# KiCad board AFS-K5171.kicad_pcb (continued)
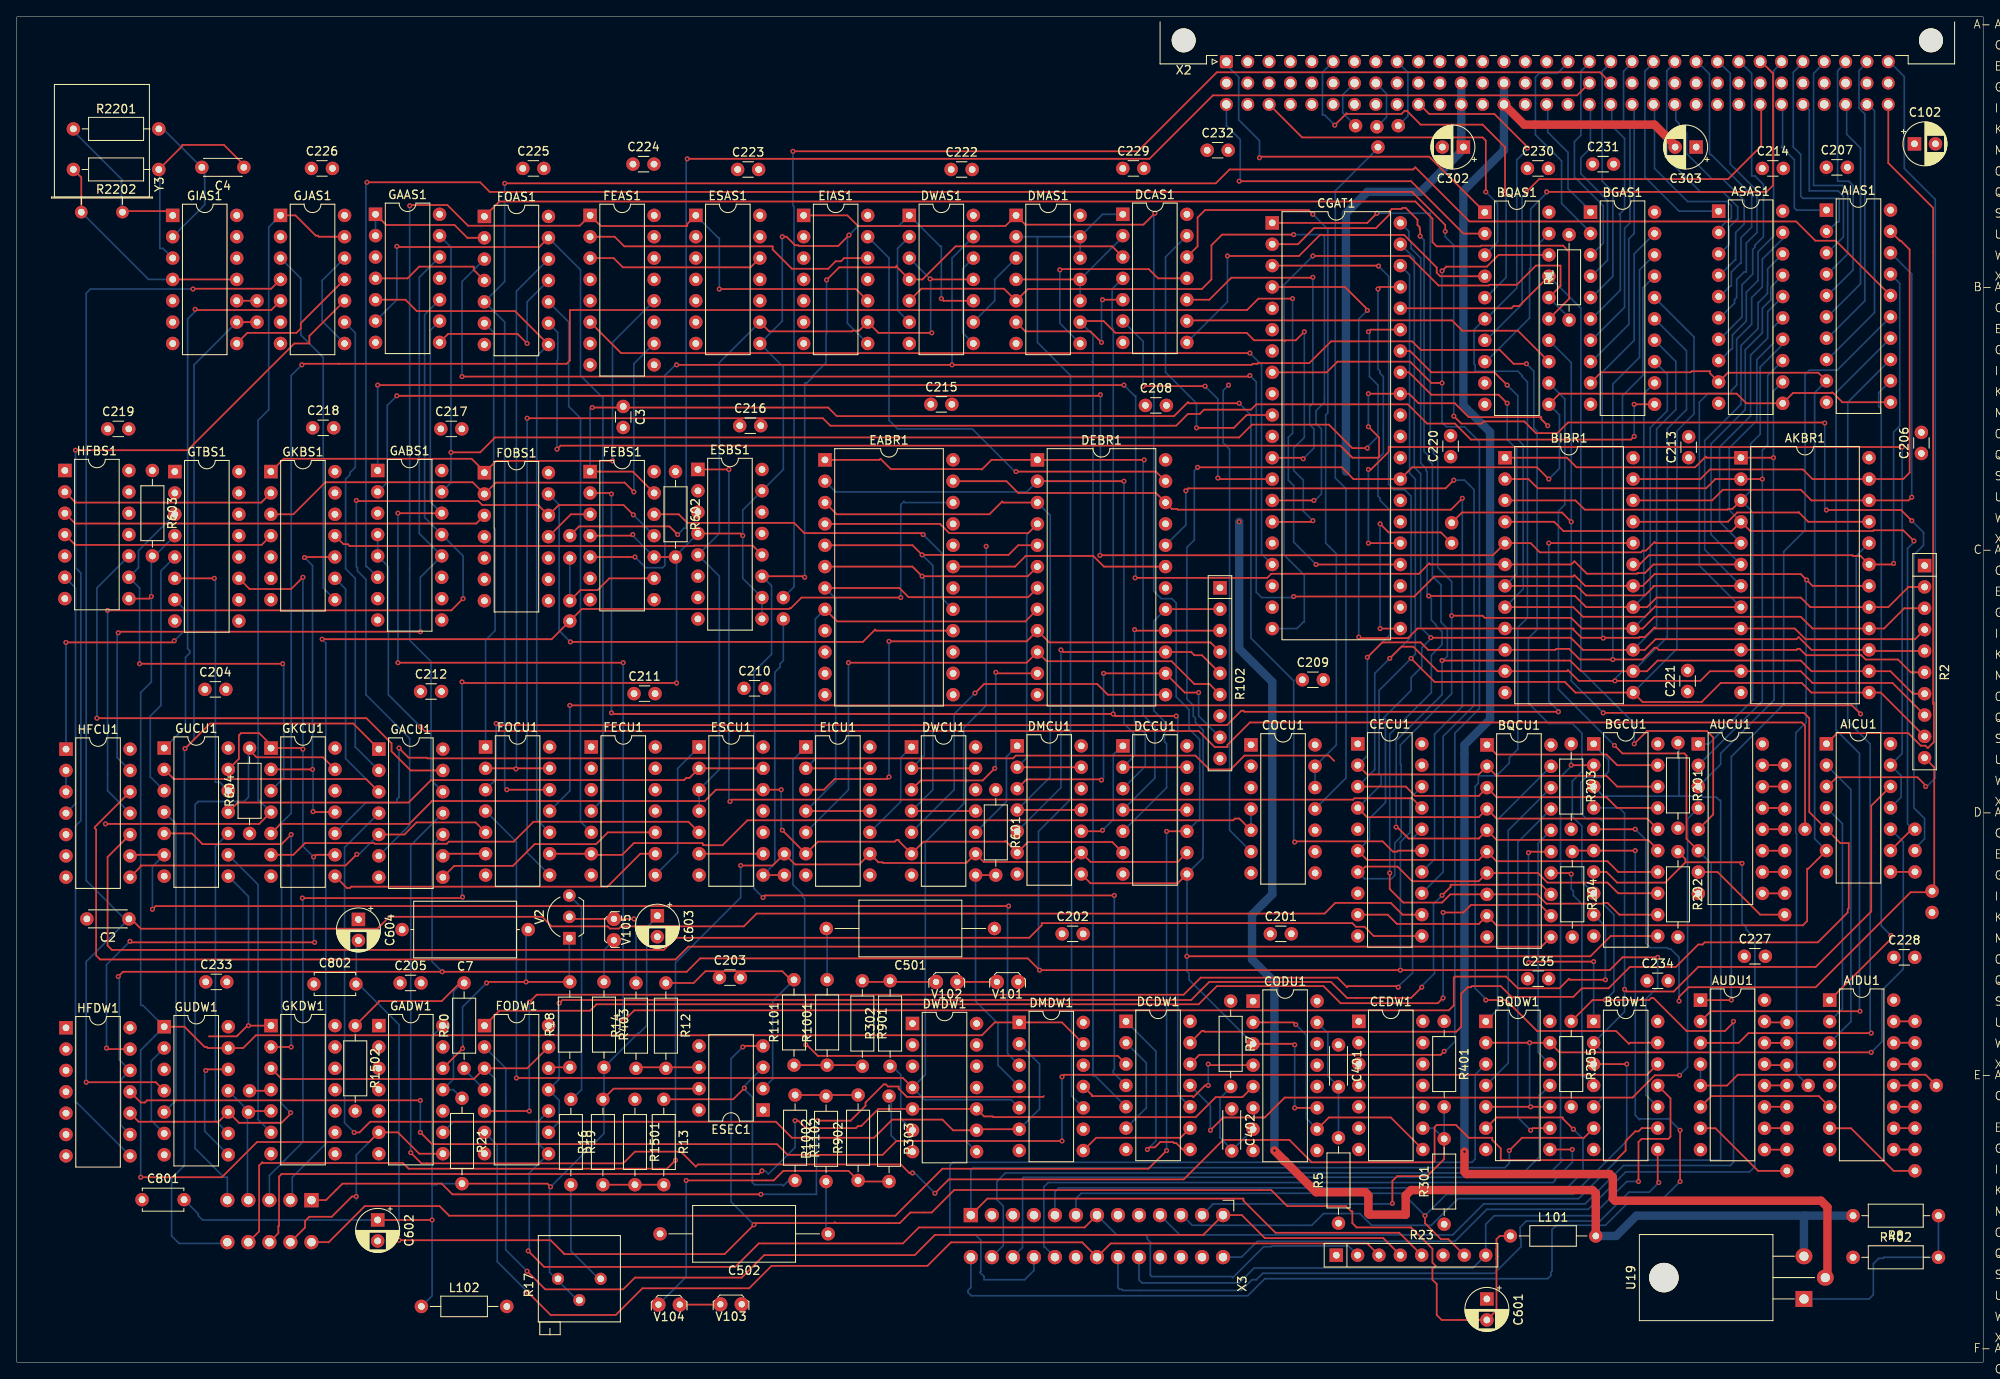
[diagram p0: board, top side]
## Routing (per net, layer and track width the routed paths; a pad name or vN(x,y) marks a point on that pad's centre or on a via; arc(x,y) is an arc through that point) (continued)
  Bottom w0.2: v1(135.38,136.68) 135.25,136.56 135.25,91.72 136.14,90.84 137.41,90.84 137.92,90.33 137.92,79.15 139.45,77.63 139.45,75.34 140.72,74.07 140.72,64.42 140.47,64.42 DCCU1.10 ; v1(136.78,63.15) v1(136.78,25.18)
SS: length 141.4
  Top w0.2: v1(169.67,43.34) 169.04,42.7 157.48,42.7 155.45,44.73 142.75,44.73 140.59,42.58 68.96,42.58 68.2,41.81 57.41,41.81 FODW1.1 ; v1(169.67,53.5) 172.08,53.5 172.97,54.39 181.23,54.39 BQCU1.12
  Bottom w0.2: 169.67,42.96 v1(169.67,43.34) v1(169.67,53.5)
ST: length 143.8
  Top w0.2: FODW1.5 60.95,29.88 v1(60.96,29.88) ; 164.46,44.73 158.37,44.73 158.24,44.61 157.1,45.75 140.84,45.75 138.81,43.72 61.85,43.72 v1(60.96,42.83)
  Bottom w0.2: 166.04,59.14 166.04,46.31 164.21,44.61 v1(164.34,44.61) ; 166.04,59.14 165.99,59.09 ; 166.04,59.14 166.04,62.3 CECU1.16 ; v1(60.96,29.88) v1(60.96,42.83)
TME: length 170.1
  Top w0.2: X2.b18 185.61,150.71 142.29,150.71 134.75,143.16 v1(79.76,143.16) ; v1(78.61,98.46) 77.64,99.43 66.89,99.43 X10-14.1
  Bottom w0.2: v1(78.61,98.46) 79.38,99.22 79.63,99.22 79.63,143.03 v1(79.76,143.16)
TMEA: length 156.6
  Top w0.2: v1(105.16,90.96) 93.35,90.96 92.08,89.69 91.95,89.69 91.86,89.61 67.23,89.61 X10-17.1 63.63,86.01 v1(36.32,86.01)
  Bottom w0.2: EABR1.22 105.66,102.27 105.54,102.39 105.16,102.01 v1(105.16,90.96) ; 32.77,19.59 32.77,22 36.76,25.99 36.76,85.58 v1(36.32,86.01)
WDA: length 136.6
  Top w0.2: ESAS1.1 79.76,135.41 79.76,135.16 69.47,135.16 FEAS1.1 66.97,135.2 53.68,135.2 51.22,137.66 46.82,137.66 v1(46.74,137.57) ; v1(83.57,127.67) 99.82,127.67 EIAS1.10
  Bottom w0.2: ESAS1.1 83.44,133.76 83.57,133.76 v1(83.57,127.67) ; GACU1.12 49.28,69.26 49.28,83.34 46.74,85.88 v1(46.74,137.57) 46.61,137.7
WE: length 293.8
  Top w0.2: v1(35.31,60.1) 35.56,60.36 GKCU1.9 ; v1(130.56,55.53) 89.03,55.53 v1(88.77,55.28) ; 104.65,130.33 104.65,130.46 ; 104.65,130.33 104.56,130.25 97.83,130.25 v1(96.33,128.74) 96.27,128.68 ; 104.65,130.33 DWAS1.4 107.74,128.81 111.67,132.75 130.3,132.75 DCAS1.3 ; 13.34,50.2 v1(13.46,50.07) 13.59,49.94 v1(35.43,49.94) ; v1(34.04,72.93) 33.9,73.06 GKCU1.1 30.24,73.43 28.83,74.83 26.67,74.83 26.42,74.58 26.42,71.78 GUCU1.13 ; v1(10.67,37.37) 10.79,37.25 HFDW1.13 ; GTBS1.11 27.69,91.98 32.64,91.98 v1(34.04,93.38) ; v1(93.73,93.38) 93.6,93.5 ESBS1.11
  Bottom w0.2: ESBS1.11 89.79,92.36 89.79,84.23 87.68,82.13 87.68,56.37 v1(88.77,55.28) ; 10.8,37.11 10.67,37.24 v1(10.67,37.37) 10.67,47.27 v1(13.46,50.07) ; v1(130.56,55.53) 130.56,34.83 130.43,34.7 130.43,34.45 DCDW1.4 ; v1(93.73,93.38) 93.73,116.49 93.98,116.49 94.61,117.12 94.61,117.25 96.27,118.9 96.27,122.3 96.33,122.36 v1(96.33,128.74) ; v1(34.04,93.38) v1(34.04,72.93) 34.04,61.37 v1(35.31,60.1) 35.31,50.07 v1(35.43,49.94)
Net-(AIAS1-CS): length 151.6
  Top w0.2: AICU1.6 213.11,58.7 212.98,58.7 212.98,52.48 212.47,51.97 176.03,51.97 BQCU1.9 173.92,52.14 164.17,52.14 163.07,53.24 CECU1.9 ; AIAS1.9 214.3,117.71 203.55,117.71 ASAS1.9 201.42,117.64 201.42,117.89 199.26,117.89 199.14,117.76 188.47,117.76 BGAS1.9
  Bottom w0.2: AIAS1.9 213.87,115.33 213.87,62.28 AICU1.6
Net-(AICU1-Pad10): length 90.4
  Top w0.2: v1(220.6,36.86) 183.51,36.86 182.37,38 v1(179.96,38) 174.75,38 ; 174.75,30.38 v1(180.09,30.38) 182.37,30.38
  Bottom w0.2: v1(180.09,30.38) 179.96,30.51 v1(179.96,38) ; AICU1.10 224.41,61.89 224.41,46.77 221.87,44.23 221.87,38.13 v1(220.6,36.86)
Net-(AIDU1-E3): length 116.1
  Top w0.2: v1(190.06,73.37) 191.01,72.42 198.37,72.42 198.63,72.17 198.63,62.26 AUCU1.6 ; AUDU1.6 201.57,31.65 214.37,31.65 AIDU1.6
  Bottom w0.2: AUDU1.6 201.55,31.63 201.55,59.33 AUCU1.6 ; 190.12,73.31 v1(190.06,73.37) 183.39,80.04 183.39,101.25 184.15,102.01 184.15,114.59 BQAS1.12
Net-(AIDU1-O0): length 2.5
  Top w0.2: AIDU1.15 223.3,40.55 X7-1.1
Net-(AIDU1-O1): length 2.5
  Top w0.2: AIDU1.14 223.29,38 X7-2.1
Net-(AIDU1-O2): length 2.5
  Top w0.2: AIDU1.13 223.29,35.46 X7-3.1
Net-(AIDU1-O3): length 2.5
  Top w0.2: X7-4.1 223.29,32.92 AIDU1.12
Net-(AIDU1-O4): length 2.5
  Top w0.2: X7-5.1 223.29,30.38 AIDU1.11
Net-(AIDU1-O5): length 2.5
  Top w0.2: AIDU1.10 223.29,27.84 X7-6.1
Net-(AIDU1-O6): length 2.5
  Top w0.2: X7-7.1 223.29,25.3 AIDU1.9
Net-(AIDU1-O7): length 12.2
  Top w0.2: AIDU1.7 218.2,27.83 223.27,22.76 X7-8.1
Net-(AKBR1-CS): length 272.3
  Top w0.2: v1(146.69,117.38) 146.56,117.25 v1(52.96,117.25) ; AKBR1.18 213.61,92.36 v1(212.92,93.06) 212.22,93.76 194.82,93.76 193.42,92.36 BIBR1.18 186.56,92.36 185.29,93.63 185.12,93.46 168.61,93.46 166.24,91.09 v1(151.89,91.09)
  Bottom w0.2: 212.85,93.12 212.85,76.1 211.62,74.88 211.62,62.95 211.71,62.86 211.71,34.32 X9-9.1 ; FOAS1.3 52.96,128.55 v1(52.96,117.25) 52.96,117.12 ; v1(151.89,91.09) 151.76,90.96 148.08,90.96 147.45,91.6 147.45,116.62 v1(146.69,117.38)
Net-(AKBR1-OE): length 188.7
  Top w0.2: v1(65.79,78.14) 218.31,78.14 v1(219.33,77.12)
  Bottom w0.2: 65.91,78.26 v1(65.79,78.14) 65.79,67.97 FOCU1.11 ; 219.33,77.25 218.82,77.75 218.82,95.92 AKBR1.20
Net-(AUCU1-E1): length 97.8
  Top w0.2: v1(197.8,34.13) 194.85,34.13 192.2,31.48 150.83,31.48 148.46,29.11 143.51,29.11 v1(141.99,27.59)
  Bottom w0.2: 141.99,27.46 v1(141.99,27.59) 141.99,30.51 DCDW1.11 ; 197.74,34.07 v1(197.8,34.13) 198.75,35.08 198.75,64.65 AUCU1.4
Net-(AUCU1-E2): length 101.2
  Top w0.2: AUCU1.5 201.8,65.16 201.8,74.33 201.04,75.09 193.93,75.09 v1(192.41,73.56) ; CGAT1.36 177.8,125.37 178.05,125.63 178.7,125.63 BQAS1.17
  Bottom w0.2: 192.41,73.44 v1(192.41,73.56) 192.41,75.98 186.06,82.33 186.06,125.38 BQAS1.17
Net-(AUCU1-O0): length 2.7
  Top w0.2: X8-1.1 207.67,71.02 AUCU1.15
Net-(AUCU1-O1): length 2.7
  Top w0.2: AUCU1.14 207.67,68.48 X8-2.1
Net-(AUCU1-O2): length 2.7
  Top w0.2: AUCU1.13 210.2,65.93 X8-3.1
Net-(AUCU1-O3): length 2.7
  Top w0.2: AUCU1.12 207.67,63.4 X8-4.1
Net-(AUCU1-O4): length 2.7
  Top w0.2: X8-5.1 210.3,60.85 AUCU1.11
Net-(AUCU1-O5): length 2.7
  Top w0.2: X8-6.1 207.67,58.32 AUCU1.10
Net-(AUCU1-O6): length 2.7
  Top w0.2: AUCU1.9 210.3,55.77 X8-7.1
Net-(AUCU1-O7): length 12.4
  Top w0.2: AUCU1.7 202.33,58.31 207.39,53.24 X8-8.1
Net-(AUDU1-E1): length 31.7
  Top w0.2: AUDU1.5 203.44,32.91 204.72,34.19 227.08,34.19 X7-9.1
  Bottom w0.2: AUDU1.4 AUDU1.5
Net-(AUDU1-O0): length 2.7
  Top w0.2: X9-1.1 208.02,40.42 AUDU1.15
Net-(AUDU1-O1): length 2.7
  Top w0.2: X9-2.1 210.55,37.99 AUDU1.14
Net-(AUDU1-O2): length 2.7
  Top w0.2: X9-3.1 208.02,35.34 AUDU1.13
Net-(AUDU1-O3): length 2.7
  Top w0.2: X9-4.1 207.92,32.92 AUDU1.12
Net-(AUDU1-O4): length 2.7
  Top w0.2: X9-5.1 207.92,30.38 AUDU1.11
Net-(AUDU1-O5): length 2.7
  Top w0.2: X9-6.1 207.92,27.84 AUDU1.10
Net-(AUDU1-O6): length 2.7
  Top w0.2: X9-7.1 210.55,25.29 AUDU1.9
Net-(AUDU1-O7): length 12.4
  Top w0.2: X9-8.1 207.14,22.76 202.07,27.83 AUDU1.7
Net-(BGAS1-DIR): length 196.8
  Top w0.2: v1(60.71,112.3) 95.89,112.3 96.77,111.41 137.92,111.41 139.32,112.81 140.72,112.81 141.22,113.31 146.81,113.31 147.45,113.95 165.48,113.95 167.77,111.66 171.07,111.66 172.97,109.76 192.02,109.76 v1(192.41,110.14) ; BGAS1.11 192.41,113.95 v1(192.41,113.95)
  Bottom w0.2: 192.41,110.01 v1(192.41,110.14) v1(192.41,113.95) ; v1(60.71,112.3) 60.71,60.62 FOCU1.8
Net-(BGCU1-CS): length 247
  Top w0.2: v1(72.14,83.22) v1(45.34,83.22) ; v1(45.34,101) GABS1.14 ; v1(188.98,45.5) 184.79,45.5 184.66,45.62 183.51,44.48 178.56,44.48 177.17,45.88 171.07,45.88 170.94,45.75 170.94,42.45 170.35,41.86 73.45,41.86 v1(72.14,40.54) 72.01,40.67 71.88,40.67
  Bottom w0.2: BGCU1.9 188.98,51.85 v1(188.98,45.5) ; v1(45.34,83.22) v1(45.34,101) ; GAAS1.9 49.19,122.76 49.19,102.35 GABS1.14 ; v1(72.14,40.54) v1(72.14,83.22)
Net-(BGCU1-DI7): length 223.7
  Top w0.2: v1(73.53,95.79) FEBS1.5 ; v1(78.49,118.65) v1(111.25,118.65) 146.9,118.65 147.02,118.78 147.57,118.78 147.65,118.85 153.75,118.85 156.34,121.44 165.99,121.44 167,120.43 176.4,120.43 178.05,118.78 v1(179.58,118.78)
  Bottom w0.2: DWAS1.13 111.25,131.35 v1(111.25,118.65) 111.25,118.52 ; v1(78.49,118.65) 78.36,118.65 77.09,117.38 77.09,94.77 76.84,94.52 74.8,94.52 v1(73.53,95.79) ; 179.45,118.9 v1(179.58,118.78) 180.47,117.89 180.47,111.16 180.85,110.77 180.85,87.15 179.83,86.14 179.83,78.39 182.25,75.98 185.04,75.98 186.18,74.83 186.18,70.26 185.04,69.12 185.04,64.93 186.18,63.78 186.18,57.19 BGCU1.8
Net-(BGDW1-Pad9): length 206.7
  Top w0.2: 106.68,22.51 v1(106.55,22.51) 106.17,22.51 105.16,23.53 81.03,23.53 80.77,23.27 78.99,25.05 73.53,25.05 72.14,23.65 48.13,23.65 v1(46.86,24.92) ; 195.2,27.84 193.29,27.84 192.91,27.46 192.53,27.46 191.39,26.32 191.39,25.18 190.25,24.03 176.53,24.03 176.53,25.43 175.51,26.45 175.51,26.7 172.72,26.7 171.2,28.22 168.91,28.22 168.66,27.97 168.66,23.91 168.53,23.78 154.05,23.78 151.38,26.45 143.51,26.45 138.81,21.75 110.87,21.75 v1(109.22,20.1)
  Bottom w0.2: v1(46.86,24.92) 46.86,61.49 GACU1.11 ; v1(106.55,22.51) 106.81,22.51 v1(109.22,20.1)
Net-(BGDW1-Pad12): length 196.5
  Top w0.2: v1(124.33,33.94) 124.59,34.19 193.93,34.19 BGDW1.12 ; v1(48.01,31.15) 15.49,31.15 15.24,30.89 14.75,30.89 HFDW1.11 ; v1(48.01,27.34) 49.4,25.94 90.42,25.94 91.69,24.67 103,24.67 104.65,26.32 v1(124.33,26.32)
  Bottom w0.2: v1(124.33,26.32) v1(124.33,33.94) 124.21,34.07 ; 48.01,27.21 v1(48.01,27.34) v1(48.01,31.15)
Net-(BIBR1-OE): length 166.2
  Top w0.2: v1(183.39,77.37) 146.05,77.37 145.92,77.5 145.67,77.5 143.95,75.78 57.22,75.78 v1(57.02,75.98) ; v1(182.25,97.44) BIBR1.20
  Bottom w0.2: v1(182.25,97.44) 182.25,78.64 183.39,77.5 v1(183.39,77.37) ; FOCU1.3 57.02,69.37 v1(57.02,75.98)
Net-(BQAS1-DI3): length 46.5
  Top w0.2: BQAS1.4 169.34,129.18 168.91,129.61 168.91,130.23 165.04,134.09 155.02,134.09 152.53,131.6 v1(144.02,131.6)
  Bottom w0.2: DCAS1.8 144.02,126.14 v1(144.02,131.6) 144.02,131.73
Net-(BQAS1-DO0): length 169
  Top w0.2: v1(160.78,111.28) 162.05,110.01 162.05,107.73 161.93,107.6 158.88,107.6 157.44,109.03 64.68,109.03 v1(64.26,108.62) ; v1(182.12,111.41) 181.36,112.17 181.36,112.43 172.72,112.43 171.07,114.08 166.75,114.08 165.61,115.21 CGAT1.32 160.79,115.21 v1(160.78,115.22)
  Bottom w0.2: v1(182.12,111.41) 181.16,112.37 181.16,133.16 BQAS1.19 ; 63.25,123.6 64.35,122.5 64.35,119.24 64.26,119.16 v1(64.26,108.62) 64.26,108.49 ; v1(160.78,115.22) v1(160.78,111.28)
Net-(BQAS1-DO1): length 163.9
  Top w0.2: BQAS1.18 176.27,131.72 174.88,130.33 170.05,130.33 v1(169.55,129.82) ; v1(169.8,36.99) 169.38,36.56 140.67,36.56 DCDW1.12 ; CGAT1.8 155.82,117.75 157.1,119.03 165.74,119.03 168.27,116.49 v1(169.55,116.49)
  Bottom w0.2: v1(169.55,129.82) v1(169.55,116.49) 169.55,111.79 170.05,111.28 172.21,111.28 173.99,109.5 173.99,77.75 171.07,74.83 171.07,38.13 169.93,36.99 v1(169.8,36.99)
Net-(BQAS1-DO3): length 89.9
  Top w0.2: v1(154.18,131.6) 165.61,131.6 169.13,128.08 175.09,128.08 175.18,128.17 178.44,128.17 180.72,130.46 183.64,130.46 183.64,128.03 BQAS1.16
  Bottom w0.2: v1(154.18,131.6) 150.75,128.17 150.75,96.04 153.16,93.63 153.16,88.04 153.04,88.04 152.27,87.27 CGAT1.20 ; BQAS1.16 184.66,124.24 184.66,124.11
Net-(BQAS1-DO4): length 142.9
  Top w0.2: FOAS1.1 57.4,138.08 166.37,138.08 168.4,136.05 168.4,133.25 168.91,132.75 174.1,132.75 174.18,132.82 183.94,132.82 184.66,132.11 184.66,126.51 BQAS1.15
Net-(BQAS1-DO5): length 200.8
  Top w0.2: v1(188.72,77.25) 212.6,77.25 213.23,76.61 213.23,65.45 AICU1.5 216.93,61.75 217.93,61.75 217.93,54.01 217.81,53.88 217.81,53.5 214.25,49.94 200.79,49.94 200.53,49.69 200.02,49.69 197.36,47.02 191.9,47.02 189.36,44.48 186.18,44.48 185.17,43.46 178.05,43.46 177.93,43.34 176.53,44.73 173.1,44.73 172.97,44.61 172.59,44.61 171.83,43.85 171.83,39.91 171.24,39.32 141.31,39.32 141.22,39.4 140.97,39.4 139.57,38 ; X10-4.1 171.92,101.08 183.81,101.08 v1(184.91,99.98)
  Bottom w0.2: BQAS1.14 184.91,118.91 184.91,81.06 v1(188.72,77.25)
Net-(BQAS1-DO6): length 45.1
  Top w0.2: DCAS1.9 139.27,123.93 170.74,123.93 171.96,122.71 178.57,122.71 BQAS1.13
Net-(BQCU1-STB): length 195.7
  Top w0.2: BQCU1.11 181.37,49.43 79.88,49.43 78.36,47.91 9.91,47.91 9.44,48.38 9.44,63.37 9.27,63.53 9.27,63.65 HFCU1.12
Net-(C4-Pad1): length 23.6
  Top w0.2: R2202.1 19.69,144.68 19.69,144.81 24.64,144.81 27.18,142.27
  Bottom w0.2: 16.89,141.38 17.02,141.25 17.02,132.49 17.4,132.49 GIAS1.3
Net-(C4-Pad2): length 16.7
  Bottom w0.2: GIAS1.2 22.35,137.7 22.35,141.76 17.4,146.72 17.14,146.72
Net-(C501-Pad2): length 6.1
  Bottom w0.2: C501.2 96.39,51.5 R1001.2
Net-(C502-Pad1): length 6.3
  Bottom w0.2: C502.1 96.27,15.52 R1002.1
Net-(CECU1-STB): length 173.1
  Top w0.2: CECU1.11 161.42,50.7 160.32,51.8 159.31,51.8 158.88,52.23 121.92,52.23 121.92,51.97 120.44,50.49 78.57,50.49 78.49,50.58 76.95,49.05 11.44,49.05 11.43,49.05 11.3,49.05 10.8,49.56 10.8,60.1 HFCU1.10
Net-(CGAT1-CS): length 161.8
  Top w0.2: v1(160.66,108.74) 158.88,108.74 156.08,111.54 146.94,111.54 145.42,110.01 56.9,110.01 55.12,108.23 v1(51.65,108.23) ; CGAT1.35 161.03,122.83 v1(160.78,122.59)
  Bottom w0.2: GAAS1.13 51.65,132.66 v1(51.65,108.23) 51.65,104.64 GABS1.15 ; v1(160.66,108.74) 160.66,108.87 161.93,110.14 161.93,116.24 160.91,117.25 160.91,122.46 v1(160.78,122.59)
Net-(CGAT1-RESET): length 24.3
  Top w0.2: v1(162.18,99.73) 163.19,98.71 169.42,98.71 X10-5.1 ; v1(162.18,87.28) 162.18,87.27 CGAT1.21
  Bottom w0.2: v1(162.18,99.73) v1(162.18,87.28)
Net-(CGAT1-RXCA): length 34.2
  Top w0.2: CGAT1.13 143.01,105.05 v1(142.88,105.19) ; v1(133.99,116.11) v1(141.35,116.11)
  Bottom w0.2: DCAS1.6 133.99,121.44 v1(133.99,116.11) ; v1(142.88,105.19) 142.88,114.58 v1(141.35,116.11)
Net-(CGAT1-RXDA): length 42.3
  Top w0.2: CGAT1.12 152.91,107.59 v1(153.04,107.47) ; v1(154.18,129.06) 154.02,129.06 153.97,129.01 144.48,129.01 141.86,126.4 DCAS1.10
  Bottom w0.2: v1(154.18,129.06) 154.18,114.08 153.8,113.7 153.8,111.54 154.31,111.03 154.31,108.74 v1(153.04,107.47)
Net-(CGAT1-TXCA): length 93.8
  Top w0.2: DWAS1.5 107.61,127.71 117.43,127.71 DMAS1.5 120.27,127.67 140.97,127.67 142.11,128.81 142.11,132.87 143.38,134.14 v1(151.89,134.14) ; v1(154.31,102.52) 154.3,102.51 CGAT1.14
  Bottom w0.2: v1(151.89,134.14) 155.32,134.14 155.56,133.91 155.56,114.18 154.56,113.19 154.56,111.66 155.19,111.03 155.19,103.28 154.43,102.52 v1(154.31,102.52)
Net-(CGAT1-TXDA): length 153.2
  Top w0.2: 150.75,121.57 150.88,121.44 ; 150.75,121.57 147.19,121.57 146.3,122.46 130.68,122.46 129.29,123.86 126.62,123.86 DMAS1.9 ; 150.75,121.57 152.15,121.57 v1(153.16,122.59) ; v1(154.18,100.11) 154.05,99.97 CGAT1.15
  Bottom w0.2: DMAS1.9 128.02,122.2 128.02,118.78 ; 128.02,118.78 128.02,34.07 128.27,34.07 131.95,30.38 ; 128.02,118.78 128.02,118.9 127.89,119.03 ; v1(154.18,100.11) 153.04,101.25 153.04,104.93 151.89,106.08 151.89,108.74 153.16,110.01 v1(153.16,122.59)
Net-(CGAT1-W/RDYA): length 35.1
  Top w0.2: v1(140.33,111.16) 144.78,111.16 146.3,112.67 CGAT1.10
  Bottom w0.2: DCAS1.13 136.65,131.48 136.65,117.76 140.33,114.08 v1(140.33,111.16)
Net-(COCU1-Pad4): length 88.7
  Top w0.2: FOCU1.9 FECU1.6 68.47,60.36 72.01,60.36 73.41,61.75 81.53,61.75 81.66,61.63 81.66,61.5 83.95,61.5 86.92,64.47 144.7,64.47 144.91,64.67 145.43,64.67 COCU1.5
  Bottom w0.2: COCU1.5 COCU1.4
Net-(COCU1-Pad12): length 90.1
  Top w0.2: v1(154.18,136.56) 153.67,137.06 141.35,137.06 140.46,136.17 140.46,132.75 DCAS1.12
  Bottom w0.2: COCU1.12 COCU1.13 156.97,73.43 156.97,96.17 155.7,97.44 155.7,112.68 155.96,112.93 155.96,134.78 v1(154.18,136.56)
Net-(CODU1A--F): length 24
  Top w0.2: v1(141.73,32.92) 141.35,32.92 139.95,31.53 139.83,31.65 127.89,31.65 127.89,31.78 DMDW1.11 ; v1(141.73,35.46) 141.86,35.34 CODU1.4
  Bottom w0.2: v1(141.73,35.46) v1(141.73,32.92)
Net-(CODU1A-B): length 33.4
  Top w0.2: v1(152.15,40.16) 151.89,40.42 CODU1.2 ; CODU1.10 156.08,29.11 163.45,29.11 CEDW1.8
  Bottom w0.2: v1(152.15,40.16) 153.42,38.89 153.42,28.99 CODU1.10
Net-(CODU1A-RL): length 15
  Bottom w0.2: 157.23,26.45 157.23,32.8 155.96,34.07 155.96,39.15 CODU1.15
Net-(CODU1B-RL): length 12.5
  Bottom w0.2: CODU1.7 144.65,25.3 144.65,25.18 143.13,26.7 143.13,31.4 144.65,32.92
Net-(DCAS1-Pad2): length 17.5
  Top w0.2: DMAS1.11 DMAS1.4
  Bottom w0.2: DCAS1.2 131.57,133.89 DMAS1.11 DMAS1.10
Net-(DCAS1-Pad4): length 195.8
  Top w0.2: v1(70.74,103.28) 70.61,103.41 FEBS1.2 ; v1(70.74,77.25) 70.87,77.12 v1(130.43,77.12) 130.68,76.87 v1(137.92,76.87)
  Bottom w0.2: DCAS1.4 130.3,127.67 130.3,123.1 130.43,122.98 v1(130.43,77.12) 130.43,76.99 ; v1(137.92,76.87) 138.1,76.69 138.1,32.11 138.18,32.03 138.18,31.78 139.57,30.38 ; v1(70.74,77.25) v1(70.74,103.28) 70.87,103.41
Net-(DCAS1-Pad5): length 18.7
  Top w0.2: DCAS1.5 v1(129.16,126.4) ; DMAS1.6 119.97,122.63 127.72,122.63 v1(129.03,121.32)
  Bottom w0.2: v1(129.16,126.4) 129.03,126.27 v1(129.03,121.32)
Net-(DCAS1-Pad11): length 25.5
  Top w0.2: DCAS1.11 135.76,128.94 134.66,130.04 124.16,130.04 v1(124.08,129.95)
  Bottom w0.2: DMAS1.8 124.08,123.6 v1(124.08,129.95) 124.08,130.08
Net-(DCCU1-A0): length 13.7
  Top w0.2: DMCU1.10 129.04,63.15 v1(129.16,63.28)
  Bottom w0.2: DCCU1.1 131.45,73.31 130.43,72.29 130.43,64.55 v1(129.16,63.28)
Net-(DCDW1-Pad1): length 23
  Top w0.2: DCDW1.8 138.68,25.3 137.92,26.07 137.67,26.07 137.54,26.19 136.02,26.19 135.38,25.56 134.75,25.56 v1(134.49,25.3)
  Bottom w0.2: DCDW1.1 135.51,36.99 135.51,26.32 v1(134.49,25.3)
Net-(DCDW1-Pad2): length 12.2
  Bottom w0.2: 131.95,38 134.37,35.59 134.37,30.26 131.95,27.84
Net-(DEBR1-A8): length 59.2
  Top w0.2: v1(118.87,105.95) 135.51,105.95 DEBR1.23
  Bottom w0.2: 119.25,105.95 v1(118.87,105.95) 118.74,105.95 113.67,111.03 104.77,111.03 103.76,112.04 103.76,131.35 EIAS1.13
Net-(DMAS1-Pad3): length 9.7
  Bottom w0.2: DMAS1.3 116.33,128.81 116.33,126.27 DWAS1.9
Net-(DMCU1-A0): length 12.3
  Bottom w0.2: DMCU1.1 117.73,72.03 117.73,66.7 DWCU1.10
Net-(DMDW1-Pad2): length 134.4
  Top w0.2: DMDW1.6 114.3,27.72 DWDW1.9 111.38,27.59 110.11,28.86 104.14,28.86 101.98,26.7 92.2,26.7 90.3,28.61 42.04,28.61 40.77,27.34 v1(40.13,27.34)
  Bottom w0.2: DMDW1.2 121.67,35.46 121.67,30.13 DMDW1.6 ; GACU1.4 38.99,61.24 38.99,28.48 v1(40.13,27.34) 40.26,27.21
Net-(DMDW1-Pad3): length 132.7
  Top w0.2: GUCU1.6 13.6,60.36 HFCU1.9 ; v1(117.98,54.26) 16.51,54.26 v1(16.13,53.88)
  Bottom w0.2: GUCU1.6 16.13,58.95 v1(16.13,53.88) ; v1(117.98,54.26) 117.86,54.13 117.86,36.73 DMDW1.3
Net-(DWAS1-Pad2): length 11.3
  Bottom w0.2: DWAS1.6 104.77,125.13 104.77,132.49 DWAS1.2
Net-(DWAS1-Pad12): length 11.2
  Bottom w0.2: DWAS1.12 112.52,130.08 112.52,122.46 DWAS1.8
Net-(DWCU1-A0): length 12.2
  Bottom w0.2: EICU1.10 105.16,66.7 105.16,71.91 DWCU1.1
Net-(DWDW1-Pad6): length 8.8
  Bottom w0.2: DWDW1.6 105.16,28.99 105.16,34.19 104.01,35.34
Net-(DWDW1-Pad8): length 15.1
  Bottom w0.2: 114.17,25.05 112.9,26.32 104.65,26.32 104.01,26.95 104.01,31.15
  vias: v1(103.89,31.78)
Net-(EABR1-D6): length 64.9
  Top w0.2: v1(65.85,85.69) 100.65,85.69 102.11,87.15 102.23,87.03 EABR1.16
  Bottom w0.2: 65.91,85.63 v1(65.85,85.69) 64.52,87.03 64.52,102.01 FOBS1.13
Net-(EABR1-D7): length 43.4
  Top w0.2: FEBS1.12 78.74,100.87 79.76,99.85 92.46,99.85 93.68,98.63 107.65,98.63 v1(107.82,98.46)
  Bottom w0.2: EABR1.17 110.11,90.84 110.11,96.17 v1(107.82,98.46)
Net-(EIAS1-2): length 35.3
  Top w0.2: EIAS1.12 98.42,131.35 98.04,130.97 97.41,130.97 96.52,130.08 92.2,130.08 89.92,132.36 89.92,132.75 72.26,132.75 71.12,133.89 FEAS1.2
Net-(EICU1-A0): length 75.8
  Top w0.2: DCDW1.3 130.98,36.44 95.29,36.44 93.98,37.75 v1(93.85,37.75)
  Bottom w0.2: v1(93.85,37.75) 93.73,37.88 93.73,55.15 93.47,55.4 93.47,55.66 92.33,56.8 92.33,71.65 EICU1.1
Net-(ESAS1-2): length 21.1
  Top w0.2: FEAS1.3 70.99,131.35 72.09,130.25 87.29,130.25 ESAS1.12
Net-(ESBS1-P1): length 51.8
  Top w0.2: ESBS1.12 87.55,97.14 80.57,97.14 80.53,97.1 39.58,97.1 39.37,97.31 38.86,97.31 GKBS1.11
Net-(ESCU1-Pad1): length 17.4
  Bottom w0.2: FECU1.8 78.61,60.6 78.61,70.64 ESCU1.1
Net-(ESCU1-Pad5): length 53.1
  Top w0.2: GKCU1.6 32.9,60.36 34.29,61.75 42.53,61.75 42.61,61.67 51.14,61.67 51.39,61.92 59.1,61.92 61.47,64.29 79.9,64.29 ESCU1.5
Net-(ESCU1-Pad6): length 7.6
  Top w0.2: ESCU1.6 ESCU1.9
Net-(ESCU1-Pad13): length 65.8
  Top w0.2: GUCU1.11 26.29,66.58 46.61,66.58 49.28,69.25 79.38,69.25 79.63,69.5 80.02,69.5 ESCU1.2 ESCU1.13
Net-(ESEC1-+): length 30.9
  Top w0.2: 86.61,32.67 v1(86.55,32.61) 85.22,31.27 R13.1
  Bottom w0.2: R1102.2 91.82,21.62 91.19,20.99 91.06,21.11 87.76,21.11 87.5,21.37 87.5,31.53 86.36,32.67 ESEC1.3
Net-(ESEC1--): length 30.5
  Top w0.2: R12.1 80.52,45.12 81.92,46.51 91.06,46.51 92.2,45.37
  Bottom w0.2: R1101.2 89.92,42.96 89.92,33.69 ESEC1.2
Net-(ESEC1-Pad6): length 7.7
  Top w0.2: ESEC1.6 73.41,35.08
Net-(FEBS1-Pad3): length 6.1
  Top w0.2: FOBS1.11 65.91,100.87 FEBS1.3
Net-(FECU1-Pad4): length 99.9
  Top w0.2: v1(45.21,132.75) 45.3,132.66 62.15,132.66 63.25,133.76
  Bottom w0.2: v1(45.21,132.75) 45.21,126.4 GAAS1.6 ; 63.25,133.76 67.06,129.95 67.06,117.38 69.72,114.71 69.72,66.95 FECU1.4
Net-(FECU1-Pad5): length 65.2
  Bottom w0.2: FECU1.5 67.06,64.31 67.06,112.3 65.66,113.7 65.66,123.73 FOAS1.10
Net-(FECU1-Pad9): length 40.4
  Top w0.2: FECU1.9 74.17,60.49 70.26,56.57 39.78,56.57 39.62,56.42 39.26,56.42 GKCU1.8
Net-(FECU1-Pad10): length 27.5
  Top w0.2: GACU1.8 52.04,59.05 59.02,59.05 61.59,61.63 68.91,61.63 70.31,63.03 FECU1.10
Net-(FOAS1-Pad2): length 16.7
  Top w0.2: 55.63,133.76 53.59,133.76 52.07,135.29 43.94,135.29 GAAS1.1
  Bottom w0.2: GAAS1.2 GAAS1.1
Net-(FOAS1-Pad4): length 14.4
  Top w0.2: GAAS1.4 46.48,128.94 47.88,130.33 54.36,130.33 54.36,129.95 55.63,128.68
Net-(FOAS1-Pad6): length 51.4
  Bottom w0.2: FOCU1.1 55.76,85.89 56.9,87.03 56.9,99.09 56.73,99.26 56.73,122.5 55.63,123.6
Net-(FOAS1-Pad8): length 82
  Top w0.2: GAAS1.5 46.23,126.4 47.58,125.04 59.27,125.04 FOAS1.8
  Bottom w0.2: FOAS1.8 61.85,119.66 61.85,64.56 FOCU1.10
Net-(FOAS1-Pad11): length 19.9
  Top w0.2: GAAS1.8 51.31,122.33 59.56,122.33 v1(60.71,121.19)
  Bottom w0.2: v1(60.71,121.19) 60.71,126.14 63.25,128.68
Net-(FOAS1-Pad12): length 70
  Top w0.2: FOCU1.13 59.44,70.65 v1(59.37,70.58) 59.3,70.65 FOCU1.2
  Bottom w0.2: FOAS1.12 59.44,127.41 59.44,70.64 v1(59.37,70.58) 59.31,70.52
Net-(FOCU1-Pad5): length 45.8
  Top w0.2: 40.51,60.48 v1(40.45,60.42) 39.12,59.09 32.26,59.09 ; HFCU1.8 14.73,58.95 14.73,59.09 32.26,59.09 ; 32.26,59.09 32.39,59.09 ; FOCU1.5 54.58,64.21 47.55,64.21 46.11,62.77 GACU1.5
  Bottom w0.2: v1(40.45,60.42) 40.71,60.42 GACU1.5
Net-(FOCU1-Pad6): length 5.2
  Top w0.2: GACU1.9 50.94,60.49 FOCU1.6
Net-(FODW1-Pad4): length 3.1
  Bottom w0.2: 53.47,34.57 53.48,34.57 FODW1.4
Net-(FODW1-Pad12): length 2.6
  Top w0.2: R18.1 63.38,35.08 FODW1.12
Net-(GABS1-E1): length 204.5
  Top w0.2: v1(48.01,75.6) 48.51,75.09 140.59,75.09 142.49,73.18 144.02,73.18 144.02,73.44 146.69,76.1 212.34,76.1 212.72,75.72 X8-9.1
  Bottom w0.2: v1(48.01,75.6) 44.2,79.41 44.2,94.65 GABS1.5 GABS1.4
Net-(GABS1-E3): length 309.6
  Top w0.2: v1(170.94,112.55) 171.83,111.66 174.24,111.66 174.5,111.92 179.32,111.92 180.72,110.52 183.26,110.52 184.53,111.79 215.01,111.79 v1(215.07,111.73) 215.14,111.66 ; v1(41.66,140.37) 55.12,140.37 56.26,139.22 165.99,139.22 166.12,139.1 166.05,139.16 169.93,135.29 v1(169.93,134.52) ; v1(225.43,100.11) 224.15,101.38 v1(215.26,101.38)
  Bottom w0.2: v1(215.07,111.73) 215.07,101.57 v1(215.26,101.38) ; 225.68,60.99 226.95,62.26 226.95,64.67 225.68,65.94 225.68,96.04 226.82,97.19 226.82,98.71 v1(225.43,100.11) ; v1(170.94,112.55) 170.94,132.87 169.93,133.89 v1(169.93,134.52) ; v1(41.66,140.37) 41.53,140.24 41.53,94.65 41.66,94.65 GABS1.6
Net-(GABS1-O2): length 106.4
  Top w0.2: v1(10.8,89.44) 51.69,89.44 v1(53.09,90.84)
  Bottom w0.2: v1(10.8,89.44) 10.8,67.99 HFCU1.11 ; 53.09,90.71 v1(53.09,90.84) 53.09,95.92 GABS1.13 48.51,100.49 48.51,124.62 GAAS1.10
Net-(GABS1-O3): length 100.8
  Top w0.2: v1(48.01,86.9) 12.19,86.9 v1(12.07,86.77)
  Bottom w0.2: v1(12.07,86.77) 11.94,86.64 11.94,71.93 HFCU1.13 ; v1(48.01,86.9) 48.01,93.38 GABS1.12 47.88,98.58 47.88,129.06 GAAS1.12
Net-(GACU1-Pad2): length 56
  Bottom w0.2: GACU1.2 40.27,73.18 40.26,73.18 40.26,93.25 39.12,94.39 39.12,105.06 39.62,105.57 39.62,105.82 40.26,106.46 40.26,122.46 GJAS1.9
Net-(GACU1-Pad3): length 54.2
  Top w0.2: GACU1.3 41.54,69.37 18.68,69.37 GUCU1.2
  Bottom w0.2: GKBS1.9 39.12,91.98 39.12,71.8 GACU1.3
Net-(GADW1-2A): length 34.1
  Top w0.2: GADW1.12 v1(53.03,37.3) 53.09,37.36 53.09,37.62 ; R18.2 v1(60.58,45.24) 56.01,45.24 v1(55.88,45.12)
  Bottom w0.2: v1(53.03,37.3) 53.03,42.26 v1(55.88,45.12) ; v1(60.58,45.24) 60.58,51.47 ; V2.1 65.73,45.3 R18.2
Net-(GADW1-2B): length 31.7
  Top w0.2: 52.96,45.37 50.55,42.96 43.05,42.96 43.05,42.83 R1502.1
  Bottom w0.2: 53.21,31.15 51.94,32.42 GADW1.11 51.94,33.68 51.94,44.1 52.96,45.12
Net-(GADW1-2Y): length 48.6
  Top w0.2: FODW1.13 60.72,34.96 FODW1.3 54.36,33.69 31.51,33.69 GKDW1.3
  Bottom w0.2: FODW1.3 56.9,33.7 56.9,28.86 56.64,28.61 51.95,28.61 GADW1.9
Net-(GIAS1-Pad1): length 18
  Top w0.2: GIAS1.1 18.03,136.94 12.95,136.94
  Bottom w0.2: 12.45,136.94 12.45,140.49 12.57,140.62 6.73,146.46 R2201.1
Net-(GIAS1-Pad8): length 16.4
  Top w0.2: GJAS1.11 33.78,123.6 33.78,122.97 33.27,122.46 27.43,122.46 GIAS1.8
